# Altium PCB standos_RPi_view.PcbDoc (part 2 of 3)
Units mm, origin at the board's own origin, x right, y up, seen from the top; angles counter-clockwise.
Board outline 280 x 215 mm, 2 copper layers (Top Layer, Bottom Layer); 107 components, 136 nets, 738 pads, 582 vias.
Unrouted connection lines stored in the file: 90.
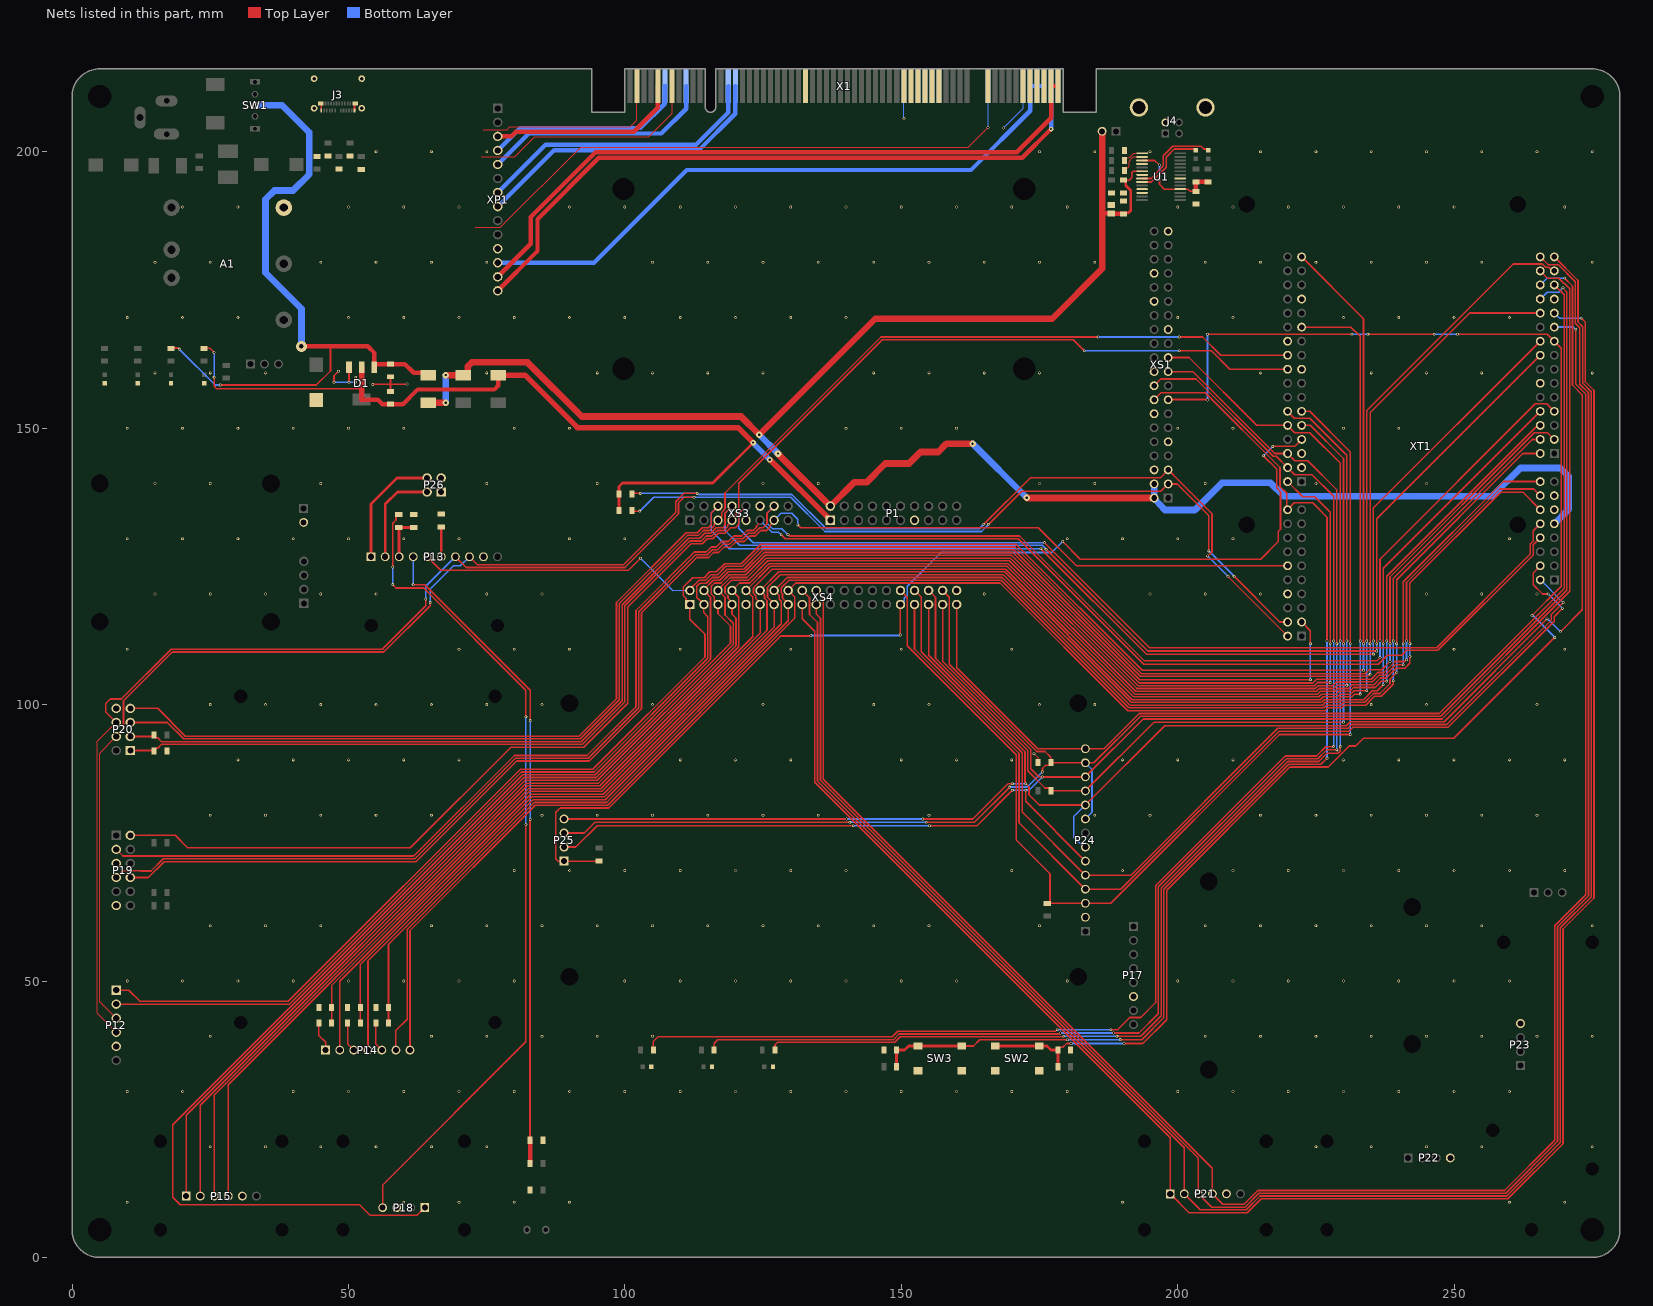
[diagram p2: the nets of this part, all layers, seen from the top]

## Part data
C1 C5 C6 C8 C9 C10 C11 C13 C14 C15 C16 C17 C18 C19 C20 C21 C22 C23 C24: Tolerance=%, Voltage=B
C2 C3: "Tantamount Commercial, Surface Mount Solid Tantalum Chip Capacitor: 330uF, 20% Tolerance, 4 WVDC @ +85°C, Surge = 5.2V", Code_JEITA=7343, ComponentLink1Description="Manufacturer Link", ComponentLink1URL=http://www.vishay.com/, ComponentLink2Description=Datasheet, ComponentLink2URL=http://www.vishay.com/docs/40002/293d.pdf, DatasheetDocument=05-Feb-2003, Note="See Data Sheet for full range of components", PackageReference=7343, Published=19-Mar-2004, Publisher="Altium Limited"
C4: "Tantamount Commercial, Surface Mount Solid Tantalum Chip Capacitor: 470uF, 20% Tolerance, 4 WVDC @ +85°C, Surge = 5.2V", Code_JEITA=7343, ComponentLink1Description="Manufacturer Link", ComponentLink1URL=http://www.vishay.com/, ComponentLink2Description=Datasheet, ComponentLink2URL=http://www.vishay.com/docs/40002/293d.pdf, DatasheetDocument=05-Feb-2003, Note="See Data Sheet for full range of components", PackageReference=7343, Published=19-Mar-2004, Publisher="Altium Limited"
C7 C12: "Polarized Capacitor (Surface Mount)", LatestRevisionDate=29-May-2009, LatestRevisionNote="IPC-7351 Footprint Added.", PackageDescription="Chip Capacitor", PackageReference=C0805, Published=8-Jun-2000, Publisher="Altium Limited"
D1: Case=SOT-223, Manufacturer="ST Microelectronics", PartNumber=LD1117S33CTR
F1 F2 F4 F5: library part F, "045303.5MR"
J1: library part DS-261
J2: "Diode Schottky 60V 5A Surface Mount SMC (DO-214AB)", Package="DO-214AB-214 Diotec Semiconductor", Availability="In Stock", Check_prices=https://www.snapeda.com/parts/SK56/Diotec/view-part/5719358/?ref=eda, MF="Diotec Semiconductor", MP=SK56, Price=None, SnapEDA_Link=https://www.snapeda.com/parts/SK56/Diotec/view-part/5719358/?ref=snap
J3: Package=None, Availability=Unavailable, MP=105450-0101, Price=None
J4: "USB-B (USB TYPE-B) USB 2.0 Receptacle Connector 4 Position Through Hole, Right Angle", Package=None, Availability=Unavailable, MP=USB-B-S-X-X-TH, Price=None
L1: "Power Choke Shielded Wirewound 4.7uH 20% 100KHz Metal 4.8A 39.6mOhm DCR Automotive T/R", Package="SMD-2 Panasonic", Availability="In Stock", Check_prices=https://www.snapeda.com/parts/ETQP4M4R7YFP/Panasonic/view-part/1533841/?ref=eda, MF=Panasonic, MP=ETQP4M4R7YFP, Price=None, Purchase-URL=https://pricing.snapeda.com/search/part/ETQP4M4R7YFP/?ref=eda, SnapEDA_Link=https://www.snapeda.com/parts/ETQP4M4R7YFP/Panasonic/view-part/1533841/?ref=snap
R13: library part "Light Sensor", PartNumber=GL5516
SW1: library part SW, PartNumber=KLS7-SS03-12D02-EG-3.0
SW2 SW3: "WS-TASV SMD Tact Switch 6X6 mm", ComponentLink1Description="Manufacturer URL", ComponentLink1URL=http://www.we-online.com, ComponentLink2Description=Datasheet, ComponentLink2URL=http://katalog.we-online.de/em/datasheet/4301x2.pdf, NoPins=04, PackageReference=430152043826, PartNumber=430152043826
U1: "USB UART Asynchronous Serial Data Transfer Chip, 28-pin SSOP, Tape and Reel", Manufacturer=FTDI, ComponentLink1Description="Manufacturer URL", ComponentLink1URL=http://www.ftdichip.com/, ComponentLink2Description=Datasheet, ComponentLink2URL=http://www.ftdichip.com/Support/Documents/DataSheets/ICs/DS_FT232R.pdf, DatasheetVersion="ver 2.10, Mar-2012", PackageDescription="28-Pin Small Outline Package 0.65 mm Pitch", PackageReference=SSOP-28, PackageVersion=Mar-12, PartNumber=FT232RL-Reel
VD1 VD5: "LED SMD 1608 112мКд, 120°, 630нМ (Ultra Bright Red)"
VD2 VD6: "LED SMD 1608 247мКд, 120°, 592нМ (High Bright Yellow)"
VD3 VD7 VD8: "LED SMD 1608 705мКд, 120°, 525нМ (Pure Green)"
VD4 VD9: "LED SMD 1608 247мКд, 120°, 468нМ (Blue)"
XP3: library part JP2, PartNumber=MJ-O-8KLS, Company="KLS electronic co ltd"
XS2: library part PLS-2
XS1: 1=VCC3V3, 2=VCC5V, 3=GPIO2/SDA1, 4=VCC5V, 5=GPIO3/SCL1, 6=GND, 7=GPIO4/GPIO_GCLK, 8=GPIO14/TXD0, 9=GND, 10=GPIO15/RXD0, 11=GPIO17/GPIO_GEN0, 12=GPIO18/GPIO_GEN1, 13=GPIO27/GPIO_GEN2, 14=GND, 15=GPIO22/GPIO_GEN3, 16=GPIO23/GPIO_GEN4, 17=VCC3V3, 18=GPIO24/GPIO_GEN5, 19=GPIO10/SPI_MOSI, 20=GND, 21=GPIO9/SPI_MISO, 22=GPIO25/GPIO_GEN6, 23=GPIO11/SPI_SCLK, 24=GPIO8/SPI_CE0_N, 25=GND, 26=GPIO7/SPI_CE1_N, 27=ID_SD, 28=ID_SC, 29=GPIO5, 30=GND, 31=GPIO6, 32=GPIO12, 33=GPIO13, 34=GND, 35=GPIO19, 36=GPIO16, 37=GPIO26, 38=GPIO20, 39=GND, 40=GPIO21

## Free pads (board coordinates)
  round 0 hole 4.2 unplated paste+0 mask+0.102: ""(5,5) ""(5,210) ""(275,5) ""(275,210)
  round 0 hole 3.2 unplated paste+0 mask+0.102: ""(5,115) ""(5,140) ""(36,115) ""(36,140) ""(90,50.75) ""(90,100.25) ""(182,50.75) ""(182,100.25) ""(205.6,34) ""(205.6,68) ""(242.4,63.4) ""(242.4,38.6)
  round 0 hole 2.4 unplated paste+0 mask+0.102: ""(16,5) ""(16,21) ""(30.5,42.5) ""(30.5,101.5) ""(38,5) ""(38,21) ""(49,5) ""(49,21) ""(54.102,114.3) ""(71,5) ""(71,21) ""(76.5,42.5) ""(76.5,101.5) ""(76.962,114.3) ""(194,5) ""(194,21) ""(216,5) ""(216,21) ""(227,5) ""(227,21) ""(257,23) ""(259,57) ""(264,5) ""(275,16) ""(275,57)
  round 0 hole 4 paste+0 mask+0.102: ""(99.75,160.75) ""(99.75,193.25) ""(172.25,160.75) ""(172.25,193.25)
  round 0 hole 3 unplated paste+0 mask+0.102: ""(212.5,132.5) ""(212.5,190.5) ""(261.5,132.5) ""(261.5,190.5)

## Via types
v1: diameter 0.5, hole 0.3, Top Layer to Bottom Layer, tented both sides, 530 vias
v2: diameter 1.2, hole 0.4, Top Layer to Bottom Layer, tented both sides, 42 vias
v3: diameter 0.8, hole 0.4, Top Layer to Bottom Layer, tented both sides, 4 vias
v4: diameter 2, hole 0.8, Top Layer to Bottom Layer, tented both sides, 3 vias
v5: diameter 1, hole 0.4, Top Layer to Bottom Layer, tented both sides, 2 vias
v6: diameter 1.5, hole 0.5, Top Layer to Bottom Layer, tented both sides, 1 vias

## Nets (pads, with @x,y where several pads share a name; then routed paths per layer and width w, separated by ;. In a path a pad name is that pad's centre, name@x,y a point inside that pad or via, vN(x,y) a via of type N, cw(c..) or ccw(c..) an arc to the next point about the centre after c; other vN are vias at no path point)
3V3: C11.2 D1.2 F4.1 P1.2 R5.2 R6.1 R7.1 | length 172.2
  Top Layer w0.3: R5.2@23.9,164.45 24.95,164.45 v1(25.7,163.7) ; v1(25.7,159.2) 25.7,157.6 26.2,157.1 52.3,157.1 52.4,157.2
  Top Layer w0.5: R7.1@98.95,135.1 R6.1@98.95,138.1 98.95,139.45 99.6,140.1 115.9,140.1 122.871,147.071 123.199,147.399 v5(123.199,147.401)
  Top Layer w0.8: 52.4,155.175 55.325,155.175 56.15,154.35 C11.2@57.6,154.35 59.85,154.35 62.5,157 76.4,157 77.1,157.7 F4.1@77.1,159.6
  Top Layer w1: 52.4,155.175 52.4,157.2 D1.2@52.4,161.025 ; F4.1@77.1,159.6 81.9,159.6 91.4,150.1 120.5,150.1 v5(123.199,147.401) ; v5(126.2,144.3) 126.21,144.3 137.16,133.35
  Bottom Layer w0.3: v1(25.7,159.2) v1(25.7,163.7)
  Bottom Layer w1: v5(123.199,147.401) 123.199,147.301 v5(126.2,144.3)
5V: C10.2 D1.3 F2.1 R4.2 SW1.2 | length 132.4
  Top Layer w0.3: R4.2@17.9,164.45 17.95,164.5 19.146,164.5 19.346,164.3 v1(19.4,164.3) ; v1(26.8,157.8) 44.2,157.8 46.75,160.35 46.75,164.75 46.8,164.8 ; v1(47.4,158.3) 47.4,159.5 v1(48.2,160.3) ; v1(50.1,158.3) D1.3@50.1,161.025 ; v1(51.3,158.3) v1(51.3,159.2)
  Top Layer w0.8: v4(41.5,164.8) 46.8,164.8 53.5,164.8 54.7,163.6 54.7,161.6 ; 54.7,161.025 54.7,161.6 ; F2.1@64.4,159.6 64,160 61.8,160 60.2,161.6 C10.2@57.6,161.6 57.55,161.55 54.75,161.55 54.7,161.6
  Bottom Layer w0.3: v1(19.4,164.3) 25.9,157.8 v1(26.8,157.8) ; v1(47.4,158.3) v1(50.1,158.3) v1(51.3,158.3)
  Bottom Layer w1.2: SW1.2@33.1,208.4 38,208.4 42.9,203.5 42.9,195.9 40,193 36.6,193 35,191.4 35,178.1 41.5,171.6 v4(41.5,164.8)
+5VIN: X1.A3 X1.A4 X1.A5 XP1.12 | length 114.7
  Bottom Layer w0.8: XP1.12@77,179.92 94.42,179.92 111.2,196.7 162.6,196.7 173.31,207.41 X1.A5@173.31,211.89 X1.A4@174.58,211.89 X1.A3@175.85,211.89
+15VIN: X1.B1 X1.B2 XP1.13 | length 121.9
  Top Layer w0.8: XP1.13@77,177.38 83,183.38 83,188.2 94.7,199.9 170.886,199.9 177.12,206.134 X1.B2@177.12,211.89 X1.B1@178.39,211.89
-15VIN: X1.A1 X1.A2 XP1.14 | length 124.7
  Top Layer w0.8: XP1.14@77,174.84 84.2,182.04 84.2,187.8 95.3,198.9 171.9,198.9 v3(177.1,204.1)
  Bottom Layer w0.8: v3(177.1,204.1) 177.12,204.12 X1.A2@177.12,211.89 X1.A1@178.39,211.89
ACH0+: X1.A48 XP1.7 | length 52.5
  Bottom Layer w0.8: XP1.7@77,192.62 85.68,201.3 103.5,201.3 112.9,201.3 118.7,207.1 X1.A48@118.7,211.89
ACH1+: X1.A47 XP1.8 | length 54.9
  Bottom Layer w0.8: XP1.8@77,190.08 87.22,200.3 107.7,200.3 113.4,200.3 119.97,206.87 X1.A47@119.97,211.89
ADC.ALRT: P13.5 XS4.1 XT1.CN9_3 | length 248.6
  Top Layer w0.3: P13.5@64.262,126.746 66.708,124.3 100.645,124.3 v1(102.822,126.478) ; 111.76,120.65 111.76,120.867 113.354,122.461 114.539,122.461 115.579,123.5 116.764,123.5 118.264,125 121.272,125 124.772,128.5 170.557,128.5 193.457,105.6 233.9,105.6 234.6,106.3 236.9,106.3 v1(238.4,107.8) ; v1(238.4,111) 238.4,123.093 264.507,149.2 266.89,149.2 XT1.CN9_3@268.13,147.96
  Bottom Layer w0.2: 108.65,120.65 111.76,120.65
  Bottom Layer w0.3: v1(102.822,126.478) 108.65,120.65 ; v1(238.4,107.8) v1(238.4,111)
ADC.I2C.SCL: P12.3 P13.8 P20.4 R6.2 XS1.5 XT1.CN7_2 | length 327.8
  Top Layer w0.2: P12.3@8,43.27 5,46.27 5,91.23 P20.4@8,94.23
  Top Layer w0.3: P20.4@8,94.23 9.3,95.53 9.3,100.7 18.1,109.5 56.4,109.5 64.8,117.9 v1(64.8,118.45) ; P13.8@71.882,126.746 73.328,125.3 99.756,125.3 109.2,134.744 109.2,136.707 110.693,138.2 v1(113.1,138.2) ; R6.2@101.25,138.1 101.35,138.2 v1(102.8,138.2) ; v1(164.9,132.6) 173.36,141.06 196.88,141.06 XS1.5@198.27,142.45 200.4,140.32 206.2,134.52 206.2,127.551 205.849,127.2 205.754,127.2 205.454,126.9 v1(205.4,126.9) ; v1(209.1,123.2) 209.1,123.17 XT1.CN7_2@219.87,112.4
  Bottom Layer w0.3: v1(64.8,118.45) 64.8,120.9 69,125.1 70.236,125.1 P13.8@71.882,126.746 ; v1(102.8,138.2) v1(113.1,138.2) 113.154,138.2 113.354,138 113.376,138 130.207,138 136.407,131.8 164.1,131.8 v1(164.9,132.6) ; v1(205.4,126.9) v1(209.1,123.2)
ADC.I2C.SDA: P12.4 P13.7 P20.6 R7.2 XS1.3 XT1.CN7_4 | length 329.7
  Top Layer w0.2: P12.4@8,40.73 4.6,44.13 4.6,93.37 P20.6@8,96.77
  Top Layer w0.3: P20.6@8,96.77 6.1,98.67 6.1,100.2 6.9,101 8.893,101 17.924,110.031 56.131,110.031 64,117.9 v1(64,119.1) ; P13.7@69.342,126.746 71.288,124.8 99.963,124.8 109.7,134.537 109.7,136.5 110.7,137.5 v1(112.5,137.5) ; R7.2@101.25,135.1 101.35,135 v1(102.7,135) ; v1(165.8,132.6) 171.8,138.6 196.96,138.6 XS1.3@198.27,139.91 199.89,139.91 205.6,134.2 v1(205.6,127.8) ; v1(210.2,123.2) 218.46,114.94 XT1.CN7_4@219.87,114.94
  Bottom Layer w0.3: v1(64,119.1) 64,121.404 P13.7@69.342,126.746 ; v1(102.7,135) 105.2,137.5 v1(112.5,137.5) 130,137.5 136.2,131.3 164.5,131.3 v1(165.8,132.6) ; v1(205.6,127.8) v1(210.2,123.2)
ADC_A0: C18.2 P13.4 R15.1 | length 119.8
  Top Layer w0.3: v1(61.7,121.7) 63.8,121.7 82.9,102.6 v1(82.9,97.1) ; C18.2@82.85,21.2 82.85,79.15 v1(82.9,79.2)
  Top Layer w0.8: R15.1@82.85,17 C18.2@82.85,21.2
  Bottom Layer w0.3: v1(61.7,121.7) 61.711,121.711 61.711,126.735 P13.4@61.722,126.746 ; v1(82.9,79.2) v1(82.9,97.1)
ADC_A1: C23.2 P13.3 R23.2 | length 8
  Top Layer w0.5: P13.3@59.182,126.746 59.141,126.787 59.141,132.009 R23.2@59.1,132.05 C23.2@61.8,132.05
ADC_A2: P13.2 P26.2 | length 18
  Top Layer w0.5: P13.2@56.642,126.746 56.642,136.242 58.86,138.46 P26.2@64.23,138.46
ADC_A3: P13.1 P26.4 | length 21.6
  Top Layer w0.5: P13.1@54.102,126.746 54.102,136.302 58.8,141 P26.4@64.23,141
ADC_ADDR: P13.6 R12.1 | length 5.4
  Top Layer w0.5: R12.1@66.8,132.15 66.801,132.149 P13.6@66.802,126.746 P13.6@66.802,126.746
BTN0: C22.2 R22.1 SW2.1 SW2.3 XS1.15 XT1.CN9_17 | length 289.7
  Top Layer w0.3: C22.2@178.35,37.5 178.35,37.7 178.65,38 179.2,38 179.9,38.7 v1(180.7,38.7) ; v1(190.3,38.7) 193.7,38.7 198,43 198,66.408 220.292,88.7 227.256,88.7 231.056,92.5 232.221,92.5 233.621,93.9 249.949,93.9 v1(268.2,112.151) ; XS1.15@198.27,155.15 198.295,155.175 205.271,155.175 205.346,155.1 v1(205.4,155.1) ; v1(205.4,167) 206.3,167 v1(231.5,167) ; v1(234.4,167) v1(246.4,167) ; v1(250.6,167) 266.87,167 XT1.CN9_17@268.13,165.74 269.4,164.47 269.4,121.4 v1(264.1,116.1)
  Top Layer w0.5: SW2.1@167.025,38.25 SW2.3@174.975,38.25 176.35,38.25 177.1,37.5 C22.2@178.35,37.5 R22.1@178.35,34.5
  Bottom Layer w0.3: v1(180.7,38.7) v1(190.3,38.7) ; v1(205.4,155.1) v1(205.4,167) ; v1(231.5,167) v1(234.4,167) ; v1(246.4,167) v1(250.6,167) ; v1(264.1,116.1) 264.138,116.062 264.29,116.062 v1(268.2,112.151)
BTN1: C24.2 R24.1 SW3.1 SW3.3 XS1.16 XT1.CN7_20 | length 205.7
  Top Layer w0.3: SW3.3@160.975,38.25 163.05,38.25 164.176,39.376 v1(180.076,39.376) ; v1(189.6,39.4) 193.5,39.4 197.5,43.4 197.5,66.615 220.085,89.2 225.9,89.2 v1(227,90.3) ; XS1.16@195.73,155.15 196.98,156.4 205,156.4 218.5,142.9 218.5,139.4 219.7,138.2 219.7,135.43 XT1.CN7_20@219.87,135.26 221.11,136.5 224.4,136.5 227,133.9 v1(227,111.5)
  Top Layer w0.5: R24.1@149.15,34.5 C24.2@149.15,37.5 150.6,37.5 151.35,38.25 SW3.1@153.025,38.25 SW3.3@160.975,38.25
  Bottom Layer w0.3: v1(180.076,39.376) 180.088,39.388 189.588,39.388 v1(189.6,39.4) ; v1(227,90.3) v1(227,111.5)
C5V: C12.1 C13.2 C14.2 F2.2 F5.1 P1.1 U1.20 XP3.2 XS1.2 XS1.4 XT1.CN8_9 | length 366.6
  Top Layer w0.3: C13.2@190.4,194.85 191.25,194.85 191.7,195.3 191.7,196.2 191.975,196.475 U1.20@193.55,196.475
  Top Layer w0.5: C14.2@190.2,188.75 190.4,188.95 191.05,188.95 191.5,189.4 191.5,193 190.6,193.9 190.6,194.65 C13.2@190.4,194.85
  Top Layer w0.8: 186.33,188.9 186.38,188.85 C12.1@188,188.85 188.05,188.8 190.15,188.8 C14.2@190.2,188.75
  Top Layer w1.2: F2.2@64.4,154.6 v2(67.6,154.6) ; v2(67.6,159.6) 71.245,159.6 71.6,159.955 71.6,161.197 72.303,161.9 82.4,161.9 92.2,152.1 121,152.1 v2(124.3,148.8) 145.3,169.8 177.3,169.8 186.33,178.83 186.33,188.9 XP3.2@186.33,203.7 ; v2(127.7,145.4) 127.7,145.35 136.997,136.053 137.16,135.89 141.47,140.2 143.7,140.2 147.1,143.6 151.4,143.6 153.5,145.7 156.7,145.7 158.2,147.2 v2(162.9,147.2) ; v2(172.7,137.4) 172.73,137.37 XS1.2@195.73,137.37
  Bottom Layer w1.2: v2(67.6,154.6) v2(67.6,159.6) ; v2(124.3,148.8) v2(127.7,145.4) ; v2(162.9,147.2) v2(172.7,137.4) ; XS1.4@195.73,139.91 XS1.2@195.73,137.37 195.73,137.262 196.655,136.337 196.655,136.254 197.709,135.2 203.1,135.2 208,140.1 216.8,140.1 219.2,137.7 256.9,137.7 262,142.8 269.2,142.8 270.7,141.3 270.7,135.29 XT1.CN8_9@268.13,132.72
CLRSENS_INT: P12.1 XS4.2 XT1.CN10_33 | length 362.5
  Top Layer w0.3: P12.1@8,48.35 10.26,48.35 12.3,46.31 39.118,46.31 81.108,88.3 94.201,88.3 114.5,108.599 114.5,112.7 111.76,115.44 111.76,118.11 111.06,118.81 111.06,119.24 110.56,119.74 110.56,121.26 112.261,122.961 114.332,122.961 115.372,124 116.557,124 118.057,125.5 121.064,125.5 124.564,129 170.764,129 193.565,106.2 v1@233.6,106.2 ; XT1.CN10_33@222.41,180.98 233.6,169.79 v1(233.6,111)
  Bottom Layer w0.3: v1(233.6,106.2) v1(233.6,111)
CLRSENS_RST: P12.2 XS4.4 XT1.CN9_22 | length 366.5
  Top Layer w0.3: P12.2@8,45.81 39.325,45.81 81.315,87.8 94.408,87.8 115,108.392 115,115.9 114.3,116.6 114.3,118.11 113,119.41 113,121.4 113.557,121.957 114.743,121.957 115.786,123 116.972,123 118.472,124.5 121.479,124.5 124.979,128 170.35,128 193.25,105.1 234.346,105.1 234.746,105.5 v1(234.8,105.5) ; v1(234.8,111) 234.8,152.8 252.82,170.82 259.81,170.82 XT1.CN9_22@265.59,170.82
  Bottom Layer w0.3: v1(234.8,105.5) v1(234.8,111)
Current_Hi: X1.B58 XP1.3 | length 35.1
  Top Layer w0.8: XP1.3@77,202.78 79.48,202.78 80.3,203.6 101.6,203.6 105.945,207.945 105.945,211.835 X1.B58@106,211.89
Current_Low: X1.A57 XP1.4 | length 36.9
  Bottom Layer w0.8: XP1.4@77,200.24 81.06,204.3 102.824,204.3 107.215,208.691 107.215,211.835 X1.A57@107.27,211.89
DISPLAY.LCD.DC/RS: P24.5 XS4.33 XT1.CN8_2 | length 177.6
  Top Layer w0.3: 152.4,120.65 153.6,119.45 153.6,109.564 171.889,91.275 171.889,80.561 P24.5@183.3,69.15 191.55,69.15 218.1,95.7 230.793,95.7 231.493,96.4 248.693,96.4 267.6,115.307 267.6,116.351 v1(269.724,118.476)
  Bottom Layer w0.3: XT1.CN8_2@265.59,122.56 265.615,122.56 269.699,118.476 v1(269.724,118.476)
DISPLAY.LCD.RESET: P24.4 XS4.34 XT1.CN8_4 | length 183.1
  Top Layer w0.3: 152.4,118.11 152.4,110.057 171.3,91.157 171.3,78.61 P24.4@183.3,66.61 189.717,66.61 218.307,95.2 231,95.2 231.7,95.9 248.9,95.9 268.1,115.1 268.1,115.9 v1(269.6,117.4) ; XT1.CN8_4@265.59,125.1 264.295,123.805 264.295,121.705 266,120 v1(267,120)
  Bottom Layer w0.3: v1(267,120) v1(269.6,117.4)
DISPLAY.LCD.SPI.MISO: P24.9 P24.13 P25.3 R30.2 XS4.37 XT1.CN9_24 | length 311.7
  Top Layer w0.3: P25.3@89,76.77 92.66,76.77 94.59,78.7 v1(140.7,78.7) ; v1(154.5,78.7) 163.249,78.7 v1(169.624,85.076) ; 157.48,120.65 158.7,119.43 158.7,107.293 174.483,91.51 175.99,91.51 177.05,90.45 R30.2@177.05,89.5 ; v1(175.5,87.8) 175.538,87.838 175.538,88.438 176.1,89 176.75,89 177.05,89.3 R30.2@177.05,89.5 ; v1(269.7,175.4) 269.7,175.346 270.4,174.646 270.4,120.707 247.593,97.9 193.263,97.9 184.833,89.47 P24.13@183.3,89.47 177.08,89.47 R30.2@177.05,89.5
  Bottom Layer w0.3: v1(140.7,78.7) v1(154.5,78.7) ; v1(169.624,85.076) 169.649,85.1 172.8,85.1 v1(175.5,87.8) ; P24.9@183,79.31 P24.9@183.15,79.46 ; P24.13@183,89.47 P24.13@183.15,89.32 ; P24.9@183.3,79.31 184.5,80.51 184.5,88.27 P24.13@183.3,89.47 ; XT1.CN9_24@265.59,173.36 266.83,174.6 268.9,174.6 v1(269.7,175.4)
DISPLAY.LCD.SPI.MOSI: P24.6 P24.12 P25.2 XS4.38 XT1.CN9_28 | length 318.6
  Top Layer w0.3: P25.2@89,74.23 91.13,74.23 95,78.1 v1(141.3,78.1) ; v1(155.1,78.1) 163.7,78.1 v1(170.1,84.5) ; 157.48,118.11 157.48,107.806 173.4,91.886 173.4,88.4 174.862,86.938 175.462,86.938 v1(175.5,86.9) 175.515,86.915 182.985,86.915 P24.12@183.15,87.08 ; v1(172.5,84.5) 172.5,82.49 P24.6@183.3,71.69 ; P24.12@183.3,86.93 193.77,97.4 247.8,97.4 270.9,120.5 270.9,175.2 268.954,177.146 266.884,177.146 XT1.CN9_28@265.59,178.44
  Bottom Layer w0.3: v1(141.3,78.1) v1(155.1,78.1) ; v1(170.1,84.5) v1(172.5,84.5) 172.538,84.538 173.138,84.538 v1(175.5,86.9)
DISPLAY.LCD.SPI.nCE: P24.3 R31.1 XS4.31 XT1.CN10_11 | length 197.7
  Top Layer w0.3: 149.86,120.65 151.1,119.41 151.1,110.65 170.8,90.95 170.8,75.5 176.9,69.4 176.9,64.05 176.92,64.07 P24.3@183.3,64.07 187.884,64.07 218.414,94.6 v1(231.2,94.6) ; XT1.CN10_11@222.41,153.04 223.86,153.04 231.2,145.7 v1(231.2,111)
  Bottom Layer w0.3: v1(231.2,94.6) v1(231.2,111)
DISPLAY.LCD.SPI.SCLK: P24.7 P24.10 P25.4 XS4.36 XT1.CN9_26 | length 320.9
  Top Layer w0.3: P25.4@89,79.31 89.005,79.305 140.095,79.305 v1(140.1,79.3) ; v1(153.9,79.3) 162.9,79.3 169.3,85.7 v1(170.1,85.7) ; 154.94,118.11 154.94,108.932 172.389,91.482 172.389,85.865 172.5,85.754 v1(172.5,85.7) 173.1,85.1 173.1,83.7 174.95,81.85 P24.10@183.3,81.85 197.65,96.2 230.5,96.2 231.2,96.9 248.2,96.9 v1(266.8,115.5) ; v1(269.249,113.2) 273.2,117.151 273.2,156 271.4,157.8 271.4,175.7 v1(270,177.1)
  Bottom Layer w0.3: v1(140.1,79.3) v1(153.9,79.3) ; v1(170.1,85.7) v1(172.5,85.7) ; P24.7@183,74.23 181.2,76.03 181.2,79.75 P24.10@183.3,81.85 ; XT1.CN9_26@265.59,175.9 266.79,177.1 v1(270,177.1) ; v1(266.8,115.5) 266.838,115.462 266.987,115.462 v1(269.249,113.2)
DISPLAY.SDCARD.nCE: P25.1 R33.1 XS4.32 XT1.CN10_7 | length 199.5
  Top Layer w0.3: R33.1@95.3,71.75 95.24,71.69 P25.1@89,71.69 87.91,71.69 87.5,72.1 87.5,80.5 88.3,81.3 97.1,81.3 128.2,112.4 133.546,112.4 v1(133.646,112.5) ; v1(149.8,112.6) 149.8,118.05 149.86,118.11 ; v1(179.2,129.5) 182.4,126.3 215,126.3 218.2,129.5 218.2,131.3 218.6,131.7 218.6,138.5 217.9,139.2 217.9,142.6 v1(215.5,145) ; v1(217.2,146.7) 221.15,146.7 XT1.CN10_7@222.41,147.96
  Bottom Layer w0.3: v1(133.646,112.5) 149.646,112.5 149.746,112.6 v1(149.8,112.6) ; 149.86,118.11 150.56,118.81 150.56,119.26 151.1,119.8 151.1,121.4 157.2,127.5 177.2,127.5 v1(179.2,129.5) ; v1(215.5,145) 216.069,145.569 v1(217.2,146.7)
DISPLAY.TOUCH.IRQ: P24.14 XS4.40 XT1.CN9_25 | length 195
  Top Layer w0.3: 160.02,118.11 160.02,106.68 174.69,92.01 183,92.01 186.666,92.01 193.056,98.4 247.3,98.4 269.9,121 269.9,174.13 XT1.CN9_25@268.13,175.9
DISPLAY.TOUCH.SPI.nCE: P24.11 R32.1 XS4.35 XT1.CN10_9 | length 161.6
  Top Layer w0.3: 154.94,120.65 156.2,119.39 156.2,108.379 172.889,91.689 172.889,88.011 176,84.9 176.75,84.9 177.05,84.6 R32.1@177.05,84.4 178.95,84.4 178.96,84.39 183,84.39 P24.11@183.15,84.54 ; P24.11@183.3,84.39 195.71,96.8 v1(230,96.8) ; XT1.CN10_9@222.41,150.5 224,150.5 230,144.5 v1(230,111)
  Bottom Layer w0.3: v1(230,96.8) v1(230,111)
ENCODER.A: P15.1 XS4.6 XT1.CN8_14 | length 345.3
  Top Layer w0.3: P15.1@20.65,11.1 20.65,25.721 81.729,86.8 94.822,86.8 119.1,111.078 119.1,114.2 116.84,116.46 116.84,118.11 116.14,118.81 116.14,119.46 115.6,120 115.6,121.4 116.2,122 117.386,122 118.886,123.5 121.893,123.5 125.393,127 169.936,127 193.036,103.9 224.4,103.9 225.1,104.6 232.379,104.6 235,104.6 236.2,105.8 237.3,105.8 239.3,107.8 241.046,107.8 241.346,108.1 v1(241.4,108.1) ; v1(241.4,111.5) 241.4,122.093 258.307,139 264.39,139 XT1.CN8_14@265.59,137.8
  Bottom Layer w0.3: v1(241.4,108.1) v1(241.4,111.5)
ENCODER.B: P15.2 XS4.5 XT1.CN10_2 | length 322.2
  Top Layer w0.3: P15.2@23.19,11.1 23.19,27.554 81.936,86.3 95.029,86.3 119.6,110.871 119.6,114.7 118.1,116.2 118.1,119.39 116.84,120.65 116.84,120.747 119.093,123 122.1,123 125.6,126.5 169.729,126.5 192.829,103.4 224.7,103.4 225.3,104 v1(227.6,104) ; XT1.CN10_2@219.87,140.34 222.61,137.6 224.8,137.6 227.6,134.8 v1(227.6,111)
  Bottom Layer w0.3: v1(227.6,104) v1(227.6,111)
ENCODER.BTN: P15.3 XS4.8 XT1.CN8_16 | length 341.1
  Top Layer w0.3: P15.3@25.73,11.1 25.73,29.387 82.143,85.8 95.236,85.8 120.1,110.664 120.1,115.6 119.38,116.32 119.38,118.11 119.38,118.489 118.656,119.213 118.656,119.644 118.1,120.2 118.1,121.3 119.3,122.5 122.356,122.5 125.856,126 169.522,126 192.622,102.9 224.907,102.9 225.407,103.4 228,103.4 228.7,104.1 232.586,104.1 ; 232.586,104.1 235.207,104.1 236.404,105.296 237.504,105.296 239.407,107.2 v1(240.8,107.2) ; v1(240.8,111) 240.8,122.2 258.94,140.34 XT1.CN8_16@265.59,140.34
  Bottom Layer w0.3: v1(240.8,107.2) v1(240.8,111) ; XT1.CN8_16@265.56,140.37 XT1.CN8_16@265.59,140.34
ENCODER.SWT: P15.4 XS4.7 XT1.CN10_12 | length 334.8
  Top Layer w0.3: P15.4@28.27,11.1 28.27,31.22 69.985,72.935 82.35,85.3 95.443,85.3 120.6,110.457 120.6,119.43 119.38,120.65 120.73,122 122.563,122 126.063,125.5 169.315,125.5 192.415,102.4 225.114,102.4 225.614,102.9 228.207,102.9 228.807,103.5 v1(230.6,103.5) ; XT1.CN10_12@219.87,153.04 221.11,151.8 223.9,151.8 230.6,145.1 v1(230.6,111.5)
  Bottom Layer w0.3: v1(230.6,103.5) v1(230.6,111.5)
FT_3V3: C15.2 R10.1 R11.1 U1.4 U1.17 | length 18
  Top Layer w0.3: U1.17@193.55,198.425 195.875,198.425 v1(196.7,197.6) ; v1(196.7,195) 196.7,194.1 197.575,193.225 U1.4@200.45,193.225 201.875,193.225 202.25,192.85 C15.2@203.3,192.85
  Top Layer w0.8: C15.2@203.3,192.85 R10.1@203.3,194.55 R11.1@205.5,194.55
  Bottom Layer w0.3: v1(196.7,195) v1(196.7,197.6)
FT_D_N: R8.1 U1.16 | length 4.9
  Top Layer w0.2: R8.1@190.35,196.6 190.35,196.8 190.7,197.15 190.95,197.15 191.2,197.4 191.2,198.3 191.9,199 191.975,199.075 U1.16@193.55,199.075
FT_D_P: R9.1 U1.15 | length 3.9
  Top Layer w0.2: R9.1@190.35,198.4 190.35,198.6 190.7,198.95 191.25,198.95 192.025,199.725 U1.15@193.55,199.725
FT_RXLED: U1.22 VD9.- | length 15.8
  Top Layer w0.3: U1.22@193.55,195.175 195.168,195.175 197.4,197.407 197.4,199.3 199.1,201 204.2,201 204.707,200.493 205.282,200.493 VD9.-@205.5,200.275
FT_TXLED: U1.23 VD8.- | length 13.4
  Top Layer w0.3: U1.23@193.55,194.525 195.225,194.525 197.9,197.2 197.9,199 199.4,200.5 203.075,200.5 VD8.-@203.3,200.275
FUNC_OUT: X1.A54 XP1.5 | length 42.4
  Bottom Layer w0.8: XP1.5@77,197.7 82.6,203.3 106.586,203.3 111.08,207.794 X1.A54@111.08,211.89
GND: A1.6 C4.2 C6.1 C7.2 C8.1 C9.1 C10.1 C11.1 C12.2 C13.1 C14.1 C15.1 C16.1 C17.1 C18.1 C19.1 C20.1 C21.1 C22.1 C23.1 C24.1 D1.1 J3.A1 J3.A12 J3.B1 J3.B12 J3.S1 J3.S2 J3.S3 J3.S4 J4.4 J4.S1 J4.S2 P1.13 P12.5 P13.9 P15.5 P17.6 P18.3 P19.5 P19.11 P20.8 P21.5 P22.4 P23.4 P24.2 P26.1 P26.3 R2.2 R12.2 R14.1 R29.1 R30.1 SW2.2 SW2.4 SW3.2 SW3.4 U1.7 U1.18 U1.21 U1.25 U1.26 VD1.- VD2.- VD3.- VD4.- VD5.- VD6.- VD7.- X1.A6 X1.A11 X1.A18 X1.A19 X1.A20 X1.A21 X1.A23 X1.B3 X1.B4 X1.B5 X1.B6 X1.B11 X1.B18 X1.B19 X1.B20 X1.B21 X1.B22 X1.B23 X1.B37 X1.B56 X1.B61 XP1.11 XS1.6 XS1.9 XS1.14 XS1.20 XS1.25 XS1.30 XS1.34 XS1.39 XS2.2 XS4.10 XS4.39 XT1.CN7_8 XT1.CN8_11 XT1.CN8_13 XT1.CN9_12 XT1.CN9_23 XT1.CN10_3 XT1.CN10_5 XT1.CN10_17 XT1.CN10_22 XT1.CN10_27 | length 213.7
  Top Layer w0.2: 72.9,186.3 77.5,186.3 92,200.8 162.1,200.8 v1(165.7,204.4) ; 74,199.1 74.01,199.09 80.09,199.09 83.7,202.7 104.3,202.7 108.54,206.94 X1.B56@108.54,211.89 ; 74.4,204 78.7,204 79.2,204.5 101,204.5 102.19,205.69 X1.B61@102.19,211.89 ; v1(174,91.1) 174.75,90.35 R30.1@174.75,89.5
  Top Layer w0.3: J3.B1@45,208.76 45.1,208.66 J3.A12@45.1,207.46 ; J3.A1@51.1,207.46 51.1,208.66 J3.B12@51.2,208.76 ; v1(54.4,157.9) 54.475,157.975 57.6,157.975 ; C11.1@57.6,156.65 57.6,157.975 ; C10.1@57.6,159.3 57.6,157.975 ; v1(60.6,158) 60.575,157.975 57.6,157.975
  Bottom Layer w0.2: X1.A23@150.45,211.89 150.45,206.05 v1(150.5,206) ; X1.A11@165.69,211.89 165.69,204.41 v1(165.7,204.4) ; v1(168.5,204.3) 172.04,207.84 X1.A6@172.04,211.89
  other v1: 10,10 60,10 70,10 80,10 90,10 190,10 260,10 270,10 25,20 35,20 45,20 55,20 65,20 75,20 225,20 235,20 245,20 255,20 275,20 10,30 20,30 40,30 50,30 60,30 70,30 80,30 90,30 100,30 110,30 120,30 130,30 140,30 150,30 160,30 170,30 180,30 200,30 210,30 220,30 230,30 240,30 250,30 260,30 25,40 65,40 75,40 85,40 95,40 105,40 205,40 215,40 225,40 235,40 245,40 255,40 265,40 275,40 10,50 20,50 30,50 40,50 50,50 60,50 70,50 80,50 100,50 110,50 120,50 130,50 140,50 150,50 160,50 180,50 200,50 210,50 220,50 230,50 240,50 250,50 260,50 25,60 35,60 45,60 65,60 75,60 85,60 95,60 105,60 115,60 125,60 135,60 145,60 155,60 175,60 205,60 215,60 225,60 235,60 245,60 255,60 275,60 80,70 90,70 100,70 110,70 120,70 130,70 140,70 170,70 190,70 210,70 220,70 230,70 240,70 250,70 260,70 270,70 25,80 35,80 45,80 55,80 65,80 85,80 95,80 105,80 115,80 125,80 135,80 155,80 185,80 195,80 215,80 225,80 235,80 245,80 255,80 265,80 30,90 40,90 50,90 60,90 70,90 110,90 120,90 130,90 150,90 160,90 170,90 190,90 200,90 210,90 230,90 240,90 250,90 260,90 270,90 25,100 35,100 45,100 55,100 65,100 75,100 85,100 105,100 125,100 145,100 155,100 175,100 185,100 235,100 245,100 265,100 10,110 70,110 80,110 90,110 110,110 130,110 150,110 170,110 250,110 270,110 15,120 25,120 35,120 45,120 55,120 75,120 85,120 165,120 195,120 205,120 215,120 245,120 255,120 265,120 10,130 20,130 30,130 40,130 50,130 60,130 70,130 90,130 100,130 180,130 190,130 200,130 210,130 260,130 15,140 25,140 45,140 75,140 95,140 125,140 135,140 175,140 185,140 205,140 225,140 245,140 10,150 20,150 30,150 40,150 50,150 60,150 80,150 90,150 140,150 150,150 160,150 200,150 210,150 230,150 240,150 15,160 25,160 35,160 75,160 95,160 105,160 115,160 125,160 145,160 155,160 165,160 175,160 215,160 235,160 245,160 255,160 275,160 10,170 20,170 30,170 50,170 60,170 70,170 80,170 90,170 100,170 110,170 120,170 130,170 140,170 200,170 210,170 230,170 240,170 250,170 260,170 15,180 25,180 45,180 55,180 65,180 75,180 105,180 115,180 125,180 135,180 145,180 155,180 165,180 175,180 185,180 205,180 215,180 225,180 235,180 245,180 255,180 275,180 20,190 30,190 50,190 60,190 70,190 90,190 100,190 110,190 120,190 130,190 140,190 150,190 160,190 170,190 180,190 200,190 210,190 220,190 230,190 240,190 250,190 270,190 55,200 65,200 75,200 175,200 185,200 195,200 215,200 225,200 235,200 245,200 255,200 265,200 275,200
GYRO_CS: P20.3 R28.1 XS3.7 XT1.CN9_16 | length 336.1
  Top Layer w0.3: P20.3@10.54,94.23 14.58,94.23 R28.1@14.75,94.4 ; R28.1@14.85,94.5 14.85,94.3 15.15,94 15.5,94 16.2,93.3 92.13,93.3 99.5,100.67 99.5,118.064 111.536,130.1 113.533,130.1 114.433,131 115.507,131 116.507,132 117.685,132 118.1,132.415 118.1,134.61 119.38,135.89 ; v1(176.2,128.1) 194.6,109.7 v1(236,109.7) ; v1(236,111) 236,111.092 236,133.61 XT1.CN9_16@265.59,163.2
  Bottom Layer w0.3: 119.38,135.89 118.1,134.61 118.1,131.5 120.8,128.8 175.5,128.8 v1(176.2,128.1) ; v1(236,109.7) v1(236,111)
GYRO_DR: P20.5 XS3.6 XT1.CN10_20 | length 254.6
  Top Layer w0.3: P20.5@10.54,96.77 17.23,96.77 20.2,93.8 91.922,93.8 99,100.878 99,118.271 111.329,130.6 113.326,130.6 114.226,131.5 115.3,131.5 116.14,132.34 116.14,132.65 116.84,133.35 117.54,134.05 117.54,134.757 118,135.217 118,135.353 118.1,135.453 118.1,138.272 146.328,166.5 v1(185.6,166.5) ; v1(200.3,166.5) 204.5,166.5 207.8,163.2 XT1.CN10_20@219.87,163.2
  Bottom Layer w0.3: v1(185.6,166.5) v1(200.3,166.5)
GYRO_INT: P20.7 XS3.5 XT1.CN9_18 | length 340.2
  Top Layer w0.3: P20.7@10.54,99.31 15.49,99.31 20.5,94.3 91.715,94.3 98.5,101.085 98.5,118.478 111.122,131.1 113.119,131.1 114.019,132 115.093,132 115.6,132.507 115.6,134.65 116.84,135.89 ; v1(175.251,128.2) 175.251,128.19 194.341,109.1 v1(235.4,109.1) ; v1(235.4,111.5) 235.4,135.55 XT1.CN9_18@265.59,165.74
  Bottom Layer w0.3: 116.84,135.89 115.6,134.65 115.6,131.5 118.9,128.2 v1(175.251,128.2) ; v1(235.4,109.1) v1(235.4,111.5)
GYRO_SDO: P20.1 R29.2 XS3.8 XT1.CN10_18 | length 256
  Top Layer w0.3: P20.1@10.54,91.69 R29.2@14.76,91.69 ; R29.2@14.85,91.6 14.85,91.8 15.15,92.1 15.5,92.1 16.2,92.8 92.337,92.8 100,100.463 100,117.857 111.743,129.6 113.8,129.6 114.7,130.5 115.714,130.5 116.714,131.5 117.892,131.5 118.6,132.208 118.6,132.5 119.38,133.28 119.38,133.35 119.38,133.729 120.1,134.449 120.1,134.913 120.6,135.413 120.6,140.064 146.536,166 181.1,166 v1(183.1,164) ; v1(200.3,164) 206.1,164 209.44,160.66 XT1.CN10_18@219.87,160.66
  Bottom Layer w0.3: v1(183.1,164) v1(200.3,164)
KEYPAD.Col0: C19.2 R18.2 XS4.11 XT1.CN9_27 | length 334.4
  Top Layer w0.3: R18.2@52.15,42.4 C19.2@52.15,45.2 52.15,52.978 82.972,83.8 96.064,83.8 125.7,113.436 125.7,118.8 125.255,119.245 125.255,119.855 124.46,120.65 127.81,124 168.693,124 191.793,100.9 225.8,100.9 226.3,101.4 228.9,101.4 229.4,101.9 231.314,101.9 231.914,102.5 v1(234.2,102.5) ; v1(234.2,111.5) 234.2,153.2 260.7,179.7 265.956,179.7 266.566,179.09 267.128,179.09 267.778,178.44 XT1.CN9_27@268.13,178.44
  Bottom Layer w0.3: v1(234.2,102.5) v1(234.2,111.5)
KEYPAD.Col1: C20.2 R17.2 XS4.9 XT1.CN8_12 | length 298
  Top Layer w0.3: R17.2@46.95,42.4 C20.2@46.95,45.2 46.95,49.193 70.485,72.728 82.557,84.8 95.65,84.8 123.12,112.27 123.12,119.45 121.92,120.65 126.27,125 169.108,125 192.208,101.9 225.321,101.9 225.821,102.4 228.414,102.4 228.914,102.9 230.9,102.9 231.6,103.6 232.793,103.6 235.5,103.6 236.696,104.796 237.711,104.796 239.514,106.6 241.1,106.6 242,107.5 v1(242,108.7) ; v1(242,111) 242,121.986 258.414,138.4 262.45,138.4 XT1.CN8_12@265.59,135.26
  Bottom Layer w0.3: v1(242,108.7) v1(242,111) ; XT1.CN8_12@265.56,135.23 XT1.CN8_12@265.59,135.26
KEYPAD.Col2: C21.2 R16.2 XS4.13 XT1.CN9_8 | length 299.4
  Top Layer w0.3: R16.2@57.25,42.4 C21.2@57.25,45.2 57.25,56.664 83.386,82.8 96.479,82.8 128.3,114.621 128.3,118.7 127.925,119.075 127.925,119.725 127,120.65 129.35,123 168.279,123 191.379,99.9 226.214,99.9 226.714,100.4 229.314,100.4 229.814,100.9 230,100.9 233.6,100.9 235.2,102.5 236.1,102.5 v1(237.2,103.6) ; v1(237.2,111) 237.2,124.65 XT1.CN9_8@265.59,153.04
  Bottom Layer w0.3: v1(237.2,103.6) v1(237.2,111)
KEYPAD.Row0: P14.2 XS4.12 XT1.CN9_6 | length 308.2
  Top Layer w0.3: P14.2@48.42,37.5 48.42,49.956 82.764,84.3 95.857,84.3 124.46,112.903 124.46,118.428 123.7,119.188 123.7,119.713 123.26,120.153 123.26,121.147 126.613,124.5 168.901,124.5 192.001,101.4 225.528,101.4 226.028,101.9 228.621,101.9 229.121,102.4 231.107,102.4 231.807,103.1 233,103.1 235.707,103.1 236.807,104.2 v1(237.8,104.2) ; v1(237.8,111.5) 237.8,123.2 264.851,150.251 265.341,150.251 XT1.CN9_6@265.59,150.5
  Bottom Layer w0.3: v1(237.8,104.2) v1(237.8,111.5) ; XT1.CN9_6@265.528,150.438 XT1.CN9_6@265.59,150.5
KEYPAD.Row1: P14.7 XS4.15 XT1.CN9_4 | length 297.8
  Top Layer w0.3: P14.7@61.12,37.5 61.12,59.12 83.8,81.8 96.893,81.8 130.74,115.647 130.74,119.45 129.54,120.65 130.89,122 167.865,122 190.965,98.9 226.628,98.9 227.128,99.4 229.728,99.4 230.228,99.9 234.014,99.9 235.611,101.496 236.796,101.496 238.962,103.662 238.962,104.262 v1(239,104.3) ; v1(239,111.5) 239,122.8 264.16,147.96 XT1.CN9_4@265.59,147.96
  Bottom Layer w0.3: v1(239,104.3) v1(239,111.5)
KEYPAD.Row2: P14.6 XS4.16 XT1.CN9_2 | length 298
  Top Layer w0.3: P14.6@58.58,37.5 58.58,41.06 60.62,43.1 60.62,59.327 83.593,82.3 96.686,82.3 129.54,115.154 129.54,118.167 128.5,119.207 128.5,120.04 128.3,120.24 128.3,121.107 129.693,122.5 168.072,122.5 191.172,99.4 226.421,99.4 226.921,99.9 229.521,99.9 230.021,100.4 233.807,100.4 235.404,101.996 236.589,101.996 238.4,103.807 238.4,104.6 v1(239.6,105.8) ; v1(239.6,111) 239.6,122.6 262.42,145.42 XT1.CN9_2@265.59,145.42
  Bottom Layer w0.3: v1(239.6,105.8) v1(239.6,111) ; XT1.CN9_2@265.58,145.41 XT1.CN9_2@265.59,145.42
KEYPAD.Row3: P14.4 XS4.14 XT1.CN10_23 | length 316.6
  Top Layer w0.3: P14.4@53.5,37.5 53.55,37.55 53.55,53.671 83.179,83.3 96.272,83.3 127,114.028 127,118.207 125.8,119.407 125.8,121.2 128.1,123.5 168.486,123.5 191.586,100.4 226.007,100.4 226.507,100.9 229.107,100.9 229.607,101.4 231.521,101.4 232.021,101.9 v1(233,101.9) ; XT1.CN10_23@222.41,168.28 231.32,168.28 233,166.6 v1(233,111.5)
  Bottom Layer w0.3: v1(233,101.9) v1(233,111.5)
Keypad_C0: P14.3 R18.1 | length 5.4
  Top Layer w0.3: R18.1@49.85,42.4 49.85,38.61 P14.3@50.96,37.5
Keypad_C1: P14.1 R17.1 | length 5.4
  Top Layer w0.3: R17.1@44.65,42.4 44.65,40.15 45.88,38.92 P14.1@45.88,37.5
Keypad_C2: P14.5 R16.1 | length 5.4
  Top Layer w0.3: R16.1@54.95,42.4 54.95,38.59 P14.5@56.04,37.5
LED0: R19.2 XS1.18 XT1.CN10_4 | length 246.1
  Top Layer w0.3: R19.2@105.15,37.5 105.15,39.05 106,39.9 148.386,39.9 149.386,40.9 177.9,40.9 v1(178.2,41.2) ; v1(187.9,41.2) 189.1,41.2 191.3,43.4 193.3,43.4 196,46.1 196,67.236 219.464,90.7 225.1,90.7 226.8,92.4 v1(228.2,92.4) ; XS1.18@195.73,157.69 196.94,158.9 203.3,158.9 217.3,144.9 217.85,144.9 XT1.CN10_4@219.87,142.88 221.15,141.6 224.3,141.6 228.2,137.7 v1(228.2,111.5)
  Bottom Layer w0.3: v1(178.2,41.2) v1(187.9,41.2) ; v1(228.2,92.4) v1(228.2,111.5)
LED1: R20.2 XS1.19 XT1.CN10_6 | length 235.7
  Top Layer w0.3: R20.2@116.15,37.5 116.15,38.75 116.8,39.4 148.593,39.4 149.593,40.4 178.546,40.4 178.746,40.6 v1(178.8,40.6) ; v1(188.4,40.6) 193,40.6 196.5,44.1 196.5,67.029 219.671,90.2 225.307,90.2 226.907,91.8 v1(228.8,91.8) ; XS1.19@198.27,160.23 202.77,160.23 217.58,145.42 XT1.CN10_6@219.87,145.42 221.19,144.1 223.5,144.1 228.8,138.8 v1(228.8,111)
  Bottom Layer w0.3: v1(178.8,40.6) v1(188.4,40.6) ; XT1.CN10_6@219.86,145.41 XT1.CN10_6@219.87,145.42 ; v1(228.8,91.8) v1(228.8,111)
LED2: R21.2 XS1.21 XT1.CN10_10 | length 229.9
  Top Layer w0.3: R21.2@127.15,37.5 127.15,38.45 127.6,38.9 148.8,38.9 149.8,39.9 179.159,39.9 179.22,39.962 179.362,39.962 v1(179.4,40) ; v1(189,40) 193.3,40 197,43.7 197,66.822 219.878,89.7 225.514,89.7 227.014,91.2 229.049,91.2 229.4,91.551 v1(229.4,92.4) ; XS1.21@198.27,162.77 202.03,162.77 214.3,150.5 XT1.CN10_10@219.87,150.5 221.17,149.2 223.9,149.2 229.4,143.7 v1(229.4,111.5)
  Bottom Layer w0.3: v1(179.4,40) v1(189,40) ; v1(229.4,92.4) v1(229.4,111.5)
MAXSONAR.AN: P21.1 XS4.18 XT1.CN9_21 | length 369.7
  Top Layer w0.3: 132.08,118.11 132.08,115.52 134.354,113.246 134.354,85.946 198.65,21.65 P21.1@198.65,11.5 202.05,8.1 212.6,8.1 215.1,10.6 259.728,10.6 269.7,20.572 269.7,59.4 275.3,65 275.3,156.814 273.75,158.364 273.75,169.15 v1(273,169.9)
  Bottom Layer w0.3: XT1.CN9_21@268.13,170.82 268.134,170.82 269.054,169.9 v1(273,169.9)
MAXSONAR.PWM: P21.4 XS4.19 XT1.CN9_19 | length 360.2
  Top Layer w0.3: 134.62,120.65 135.9,119.37 135.9,86.521 206.27,16.151 P21.4@206.27,11.5 208.17,9.6 211.979,9.6 214.479,12.1 259.107,12.1 268.2,21.193 268.2,60.021 273.8,65.621 273.8,156.193 272,157.993 v1(272,167.9)
  Bottom Layer w0.3: XT1.CN9_19@268.13,168.28 268.14,168.29 271.556,168.29 271.946,167.9 v1(272,167.9)
MAXSONAR.UART.RX: P21.2 XS4.17 XT1.CN9_29 | length 377.3
  Top Layer w0.3: 132.08,120.65 133.4,119.33 133.4,116.3 134.854,114.846 134.854,86.154 201.19,19.817 P21.2@201.19,11.5 204.09,8.6 212.393,8.6 214.893,11.1 259.521,11.1 269.2,20.779 269.2,59.607 274.8,65.207 274.8,156.607 273.25,158.157 273.25,168.357 272.4,169.207 272.4,176.71 XT1.CN9_29@268.13,180.98
MAXSONAR.UART.TX: P21.3 XS4.20 XT1.CN9_30 | length 373.1
  Top Layer w0.3: 134.62,118.11 134.62,116.38 135.4,115.6 135.4,86.314 203.73,17.984 P21.3@203.73,11.5 206.13,9.1 212.186,9.1 214.686,11.6 259.314,11.6 268.7,20.986 268.7,59.814 274.3,65.414 274.3,156.4 272.75,157.95 272.75,168.15 271.9,169 271.9,176.503 268.813,179.59 266.98,179.59 XT1.CN9_30@265.59,180.98
MICROPHONE_AS: P18.4 R23.1 | length 149.6
  Top Layer w0.3: P18.4@56.19,9 56.19,13.09 82.1,39 v1(82.1,78.3) ; v1(58,121.7) 58.6,121.1 63.6,121.1 82.1,102.6 v1(82.1,97.8) ; v1(58,124.9) 58,132.8 58.6,133.4 58.6,134.05 58.9,134.35 R23.1@59.1,134.35
  Bottom Layer w0.3: v1(58,121.7) v1(58,124.9) ; v1(82.1,78.3) v1(82.1,97.8)
MICROPHONE_DS: P18.1 XS4.3 XT1.CN7_3 | length 339
  Top Layer w0.3: P18.1@63.81,9 62.41,7.6 53.9,7.6 52,9.5 19.6,9.5 18.2,10.9 18.2,23.978 81.522,87.3 94.615,87.3 115.5,108.185 115.5,119.393 115.1,119.793 115.1,119.85 114.3,120.65 114.3,120.807 115.993,122.5 117.179,122.5 118.679,124 121.686,124 125.186,127.5 170.143,127.5 193.143,104.5 v1(224,104.5) ; XT1.CN7_3@222.41,114.94 224,113.35 v1(224,111)
  Bottom Layer w0.3: v1(224,104.5) v1(224,111)
NAV.DRDY_M: P19.8 XS3.14 XT1.CN7_12 | length 251.6
  Top Layer w0.3: P19.8@10.54,68.73 13.816,68.73 16.686,71.6 62.236,71.6 80.436,89.8 93.579,89.8 103,99.221 103,116.614 112.986,126.6 115.125,126.6 116.021,127.496 116.953,127.496 117.946,128.489 119.124,128.489 120.135,129.5 121.618,129.5 122.61,130.493 123.607,130.493 124.607,131.493 125.643,131.493 126.2,132.05 126.2,132.312 127,133.112 127,133.35 ; v1(131.3,132.5) 131.8,132 174.8,132 181.7,125.1 XT1.CN7_12@219.87,125.1
  Bottom Layer w0.3: 127,133.35 128.25,134.6 130.2,134.6 131.3,133.5 v1(131.3,132.5)
NAV.INT: P19.7 XS3.13 XT1.CN9_7 | length 344.8
  Top Layer w0.3: P19.7@8,68.73 9.2,69.93 12.37,69.93 12.4,69.9 14.279,69.9 16.479,72.1 62.028,72.1 80.228,90.3 93.372,90.3 102.5,99.428 102.5,116.821 112.779,127.1 114.918,127.1 115.814,127.996 116.746,127.996 117.739,128.989 118.917,128.989 119.928,130 121.314,130 122.307,130.993 123.4,130.993 124.407,132 125,132 125.7,132.7 125.7,134.59 127,135.89 ; v1(129.5,130.7) 129.554,130.7 129.754,130.5 171.386,130.5 193.986,107.9 236,107.9 v1(236.6,108.5) ; v1(236.6,111.5) 236.6,126.3 264.7,154.4 266.77,154.4 XT1.CN9_7@268.13,153.04
  Bottom Layer w0.3: 127,135.89 125.66,134.55 125.66,132.857 126.717,131.8 128.4,131.8 v1(129.5,130.7) ; v1(236.6,108.5) v1(236.6,111.5)
NAV.SPI_3CS.MISO: P19.3 XS3.12 XT1.CN8_8 | length 315.1
  Top Layer w0.3: P19.3@8,73.81 9.21,72.6 61.821,72.6 80.021,90.8 93.165,90.8 102,99.635 102,117.028 112.572,127.6 114.711,127.6 115.607,128.496 116.539,128.496 117.532,129.489 118.71,129.489 119.72,130.5 121.107,130.5 122.104,131.496 123.196,131.496 123.8,132.1 123.8,132.311 124.46,132.971 124.46,133.35 ; v1(128.3,130.7) 129,130 171.179,130 193.879,107.3 236.3,107.3 237.9,108.9 240.5,108.9 241.4,109.8 247.043,109.8 264.3,127.057 264.3,128.89 XT1.CN8_8@265.59,130.18
  Bottom Layer w0.3: 124.46,133.35 126.61,131.2 127.8,131.2 v1(128.3,130.7)
NAV.SPI_3CS.MOSI: P19.2 XS3.9 XT1.CN8_10 | length 319.2
  Top Layer w0.3: P19.2@10.54,76.35 18.65,76.35 20.9,74.1 61.2,74.1 79.4,92.3 92.544,92.3 100.5,100.256 100.5,117.65 111.95,129.1 114.007,129.1 114.904,129.996 115.918,129.996 116.911,130.989 118.089,130.989 119.099,132 120,132 120.6,132.6 120.6,134.57 121.92,135.89 ; v1(175.9,129.3) 194.9,110.3 246.836,110.3 263.8,127.264 263.8,129.097 264.3,129.597 264.3,131.43 XT1.CN8_10@265.59,132.72
  Bottom Layer w0.3: 121.92,135.89 120.6,134.57 120.6,131.9 123.2,129.3 v1(175.9,129.3)